# Altium PCB LPC4357_SDRAM_v0.2.PcbDoc (part 1 of 3) (continued)
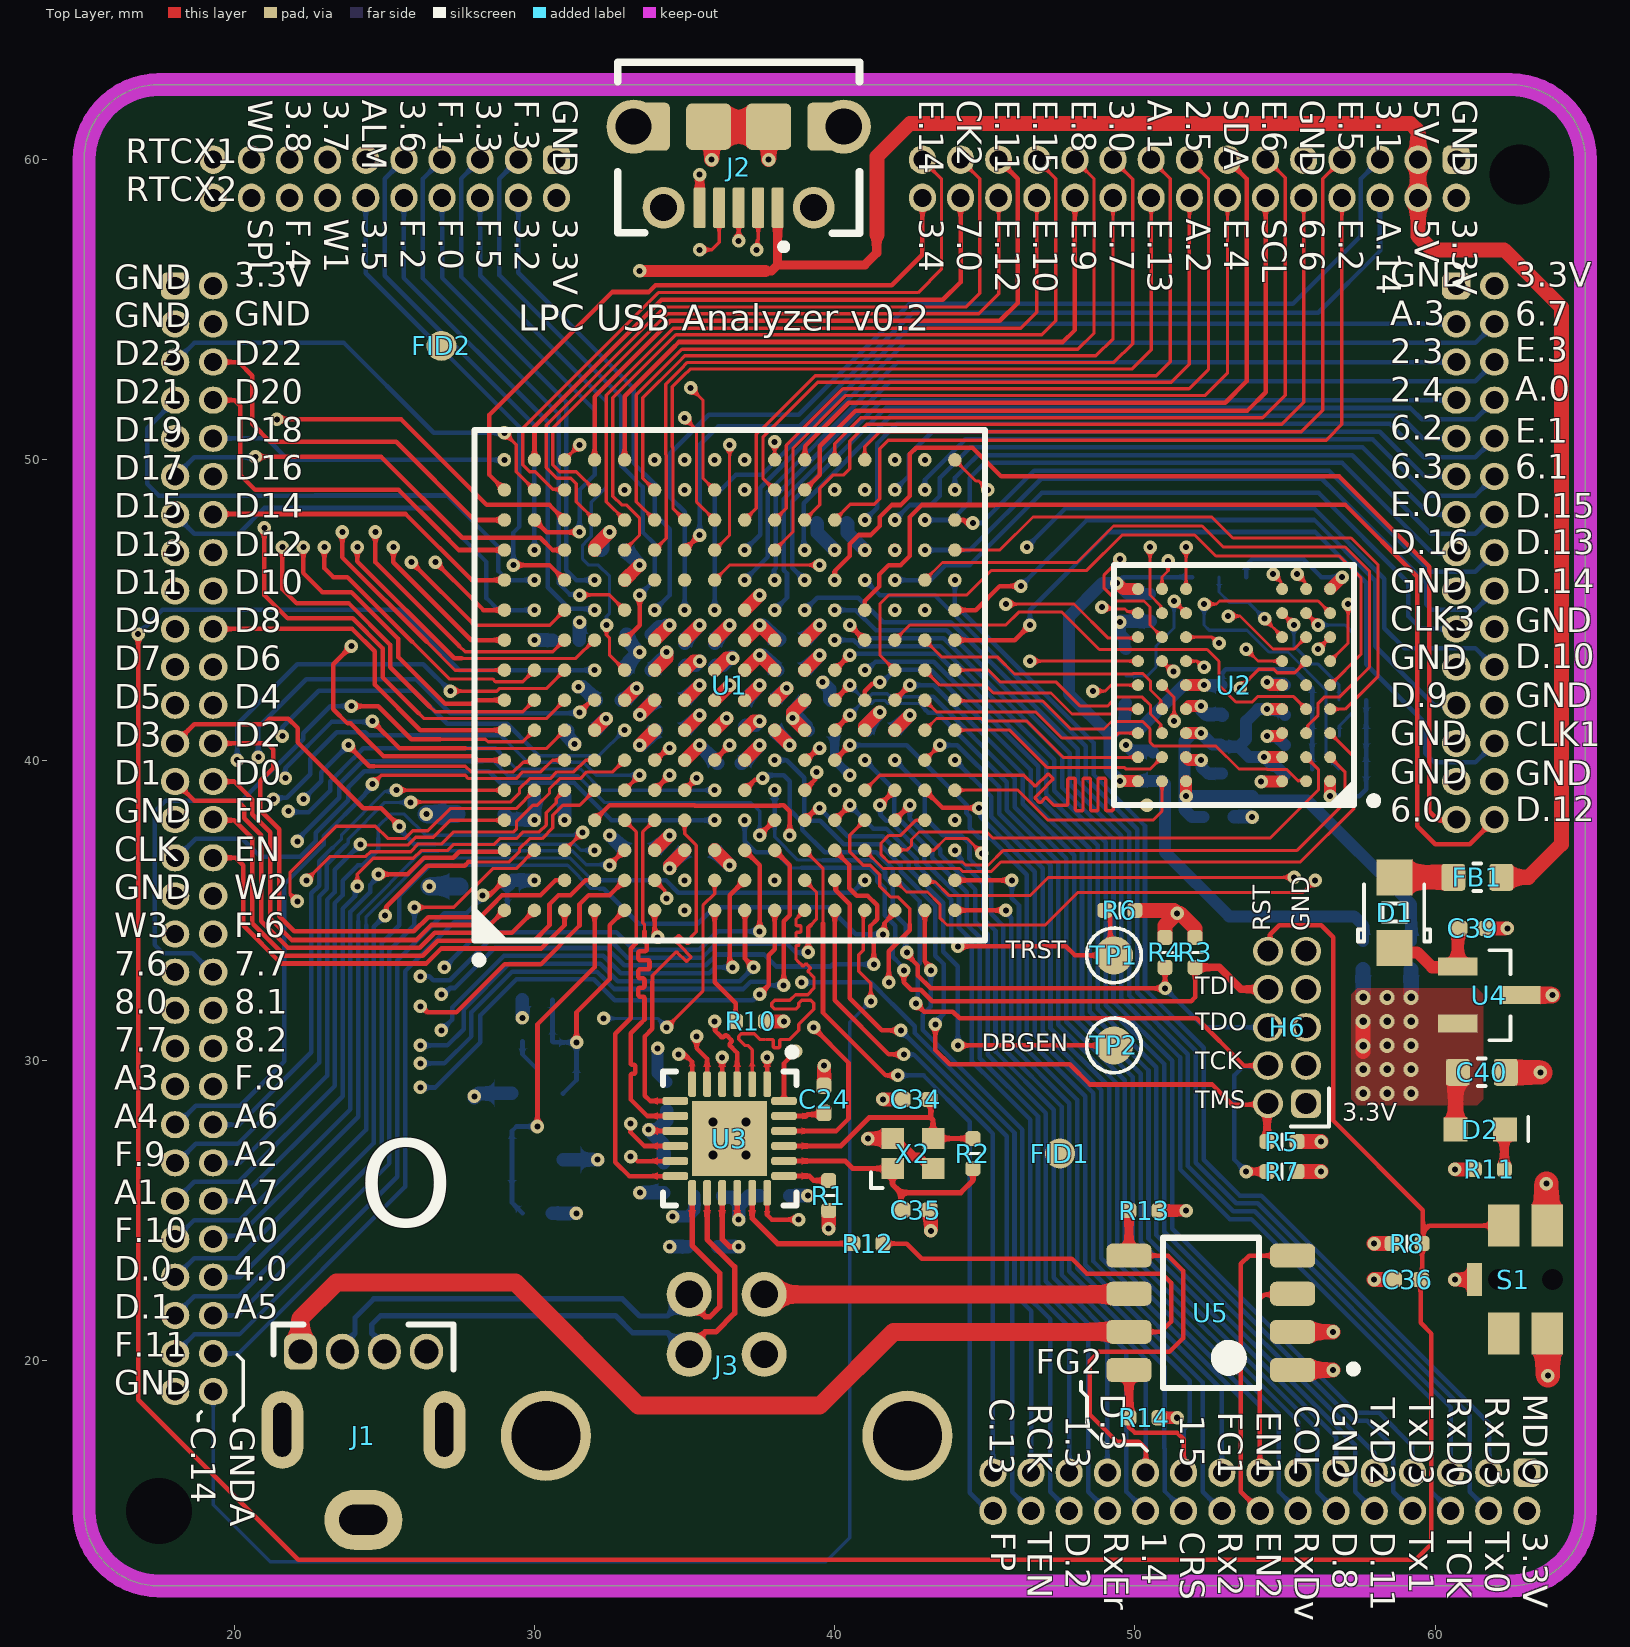
[diagram p0: Top Layer view]
## Part data
C1 C2 C3 C4 C5 C6 C7 C8 C9 C10 C11 C12 C13 C14 C15 C16 C17 C18 C19 C20 C21 C22 C23 C26 C27 C28 C29 C30 C31 C32 C33 C36: library part C_100n_16V_10_0402_NIC, "Cap, Chip, 100nF, 16V, ±10%, X7R, 0402", Manufacturer=NIC, Manufacturer_No=NMC0402X7R104K16TRPF, Supplier Part Number 1=NMC0402X7R104K16TRPF-REEL, HelpURL=http://www.niccomp.com/catalog/nmc3.pdf, IOT=IOT-0301, PB-free=Yes, Supplier 1="Future Electronics"
C24 C25 C39: library part C_1u_10V_10_0402_NIC, "Cap, Chip, 1uF, 10V, ±10%, X5R, 0402", Manufacturer=NIC, Manufacturer_No=NMC0402X5R105K10TRPF, Supplier Part Number 1=NMC0402X5R105K10TRPF-CUTT, Dist_No=NMC0402X5R105K10TRPF, Distributor=Avnet, HelpURL=http://www.niccomp.com/catalog/nmc2.pdf, IOT=IOT-, PB-free=Yes, Price=0.0056, Supplier 1="Future Electronics"
C34 C35 C37 C38: library part C_18p_25V_10_0402_NIC, "Cap, Chip, 18pF, 25V, ±10%, NPO 0402", Manufacturer=NIC, Manufacturer_No=NMC0402NPO180J25TRPF, HelpURL=http://www.niccomp.com/catalog/nmc1.pdf, IOT=IOT-0056, PB-free=Yes
C40: library part C_10u_10V_10_0603_NIC, "Cap, Chip, 10uF, 10V, ± 15%, X5R, 0603", Manufacturer=NIC, Manufacturer_No=NMC0603X5R106K10TRPF, Dist_No=NMC0603X5R106K10TRPF, Distributor=NIC, HelpURL=http://www.niccomp.com/catalog/nmc1.pdf, IOT=IOT-0719, PB-free=Yes, Price=0.02
D1: library part D_PMEG2015EH_20V_1A5_SOT123F, "Diode, Schottky Rectifier, 20V, 1.5A, SOT123F", Manufacturer="NXP Semiconductors", Manufacturer_No="PMEG2015EH T/R", Voltage=20V, Dist_No=568-4116-1-ND, Distributor=DIGIKEY, HelpURL=http://www.nxp.com/acrobat_download/datasheets/PMEG2015EH_EJ_2.pdf, PB-free=Yes, Price=0.46000
D2: library part D_LED-0603_LTST-C190KGKT, "0603 LED, Green", Manufacturer=Lite-on, Manufacturer_No=LTST-C190KGKT, Supplier Part Number 1=160-1435-1-ND, Dist_No=LTST-C190KGKT, Distributor=Avnet, HelpURL=http://optoelectronics.liteon.com/upload/download/DS22-2000-074/S_110_LTST-C190KGKT.pdf, IOT=IOT-0171, PB-free=Yes, Price=0.0376, Supplier 1=Digi-Key
FB1 FB2 FB3: library part FB_120R_0603_NIC, "Ferrite bead,120 ohm@100MHz,0.30 ohm @DC, 500mA, 0603", Manufacturer=NIC, Manufacturer_No=NCB0603R121TR060F, HelpURL=http://www.niccomp.com/catalog/ncb.pdf, IOT=IOT-0083
FB4 FB5 FB6 FB7: library part FB_300R_0402_NIC, "Ferrite bead,300 ohm@100MHz,0.15 ohm @DC, 1A, 0402", Manufacturer=NIC, Manufacturer_No=NCB-H0402P301TR100F, Supplier Part Number 1=490-5256-2-ND, Dist_No=NCB-H0402P301TR100F, Distributor=NIC, HelpURL=http://www.niccomp.com/catalog/ncbh.pdf, IOT=IOT-0720, Price=0.01, Supplier 1=Digi-Key
FID1 FID2: "SMD Device Fiducial", FMEDA__CHANNEL=DIAG
H1: library part JP_2x30_1.27mm, "CONN, Header, 2x30, TH, 1.27mm", Manufacturer="Shenzhen Cankemeng", Manufacturer_No=220-1S-2*30, ComponentLink1Description=Datasheet, ComponentLink1URL=https://datasheet.lcsc.com/szlcsc/Shenzhen-Cankemeng-Female-header-2-30P-1-27mm-Straight-line_C124402.pdf, Dist_No=C124402, Distributor=LCSC, HelpURL=https://lcsc.com/product-detail/Pin-Header-Female-Header_Shenzhen-Cankemeng-Female-header-2-30P-1-27mm-Straight-line_C124402.html, PB-free=Yes, Price=0.32
H2: library part JP_2x10_1.27mm, "CONN, Header, 2x10, TH, 1.27mm", PB-free=Yes, Price=0.32
H3 H4 H5: library part JP_2x15_1.27mm, "CONN, Header, 2x15, TH, 1.27mm", ComponentLink1Description=Datasheet, ComponentLink1URL=https://datasheet.lcsc.com/szlcsc/Shenzhen-Cankemeng-Female-header-2-30P-1-27mm-Straight-line_C124402.pdf, Distributor=LCSC, PB-free=Yes, Price=0.32
H6: library part JP_JTAG-FTSH_1.27, "CONN, Header 2x5, TH, 1.27mm", Manufacturer=Samtec, Manufacturer_No=FTSH-105-01-L-D-K, Dist_No=FTSH-105-01-L-D-K, Distributor=Heilind, PB-free=Yes, Price=$2.00
J1: library part J_USB_A_Rotate_Reverse_TH, "USB, Type A, Side Insert, Revese PinoutRA", Manufacturer="Jing Extension", Manufacturer_No=C39452, ComponentLink1Description="Info Page", ComponentLink1URL=https://lcsc.com/product-detail/USB-Connectors_Jing-Extension-of-the-Electronic-Co-LCSC-AF-10-0-Side-insert-3-Have-side-iron-Reverse-PBT-White-plastic-Thicker_C39452.html, Dist_No=C39452, Distributor=LCSC, HelpURL=https://datasheet.lcsc.com/szlcsc/Jing-Extension-of-the-Electronic-Co-LCSC-AF-10-0-Side-insert-3-Have-side-iron-Reverse-PBT-White-plastic-Thicker_C39452.pdf, PB-free=Yes, Price=0.05
J2: library part J_microUSB_B_SMD-FCI, "CONN RECEPT MICRO USB RA 5POS SMD", Manufacturer=FCI, Manufacturer_No=10118194
J3: library part J_USB_B_2.0_RA, "CONN RCPT USB 2.0 TYPE B R/A 4PS", Manufacturer=FCI, Manufacturer_No=61729-1011BLF, Dist_No=61729-1011BLF, Distributor=Avnet, HelpURL=http://portal.fciconnect.com/Comergent/fci/drawing/61729.pdf, IOT=IOT-0319, PB-free=Yes, Price=0.34, Supplier 2=Digi-Key
PCB: library part PCB, "4 Layer Controlled Impedance PCB", Manufacturer="IO Technologies"
R1 R11: library part "Res Semi", "Resistor, 8.06 kO, 1%, 0.06W, 0402"
R2 R9: library part "Res Semi", "Resistor, 1 MO, 1%, 0.06W, 0402"
R3 R4 R5 R6 R7 R8 R13 R14: library part R_10k0_60mW_1_0402_NIC, "Resistor, 10.0 kO, 1%, 0.06W, 0402", Manufacturer=NIC, Manufacturer_No=NRC04F1002TRF, HelpURL=http://www.niccomp.com/catalog/nrc.pdf, IOT=IOT-0100
R10: library part R_12k0_60mW_1_0402_NIC, "Resistor, 12.0 kO, 1%, 0.06W, 0402", Manufacturer=NIC, Manufacturer_No=NRC04F1202TRF, HelpURL=http://www.niccomp.com/catalog/nrc.pdf, IOT=IOT-0101
R12: library part R_20k0_100mW_1_0603_NIC, "Resistor, 20 kO, 1%, 0.06W, 0402", Manufacturer=NIC, Manufacturer_No=NRC06F2002TRF, HelpURL=http://www.niccomp.com/catalog/nrc.pdf, PB-free=Yes, Price=0.0009
R15 R16 R17 R18 R19: library part CON_Jumper_3Pad_0402, "3-pad, 0402, jumper"
S1: library part SW_PTS840_RA_SMT, "SWITCH SPST RA, 50mA, 24V, SMT", Manufacturer=C&K, Manufacturer_No="PTS840 GKP SMTR LFS", Dist_No="PTS840 GKP SMTR LFS", Distributor=Heilind, HelpURL=http://www.ckswitches.com/media/1477/pts840.pdf, PB-free=Yes, Price=0.19
TP1 TP2: library part TP_50mil-pad, "SMD test pin"
U1: library part U_LPC4357JET256_BGA256, "32-bit ARM Cortex-M4 / M0 Microcontroller, 164 I/O, 1024 KB Flash, 136 KB SRAM, -40 to 105 degC, 256-Ball LBGA, Tray, RoHS", Manufacturer="NXP Semiconductors", PartNumber=LPC4357JET256, CAN=2, Clock Speed="204 MHz max.", Code_JEDEC=MO-192, ComponentLink1Description="Manufacturer URL", ComponentLink1URL=www.nxp.com, ComponentLink2Description=Datasheet, ComponentLink2URL=http://www.nxp.com/documents/data_sheet/LPC435X_3X_2X_1X.pdf, ComponentLink3Description="Package Specification", ComponentLink3URL=http://www.nxp.com/documents/outline_drawing/sot740-2_po.pdf, Core=Cortex-M4, DatasheetVersion="Rev. 5", Ethernet=1, Flash="1024 KB", LCD=1, Manufacturer 1="NXP Semiconductors", Manufacturer Part Number 1=LPC4357JET256,551, Mounting Technology="Surface Mount", PackageDescription="256-Ball Plastic Low Profile Ball Grid Array Package, Body 17 x 17 mm, Pitch 1 mm", PackageVersion="05-08-04, 08/2005", Packing=Tray, RAM="136 KB", USB=2
U2: library part U_MT48LC16M16A2F4_VFBGA54, "256Mb PC133 SDR SDRAM, 16Mb x 16, 7.5ns, 3.3V, 0 to 70 degC, 54-Ball VFBGA, Pb-Free", Manufacturer=Micron, Manufacturer 1="Micron Technology", Op. Temp.="0C to +70C", Supplier Part Number 1=AS4C16M16SA-7BCN-TRAY, Voltage=3.3V, CL="CL = 3", Clock Rate="133 MHz", ComponentLink1Description="Manufacturer URL", ComponentLink1URL=http://www.micron.com/, ComponentLink2Description=Datasheet, ComponentLink2URL=http://www.micron.com/~/media/Documents/Products/Data%20Sheet/DRAM/256Mb_sdr.pdf, ComponentLink3Description="Package Specification", ComponentLink3URL=http://www.micron.com/~/media/Documents/Products/Data%20Sheet/DRAM/256Mb_sdr.pdf, Cycle Time=7.5ns, Data Rate=PC133, DatasheetVersion=Rev.Q, Density=256Mb, Depth=16Mb, Manufacturer Part Number 1=MT48LC16M16A2B4-6A:G, Mounting Technology="Surface Mount", PackageDescription="54-Ball Fine-Pitch Ball Grid Array, 8 x 8 mm, Pitch 0.8 mm", PackageReference=MICT-B4-54, PackageVersion=Rev.D, PartNumber=MT48LC16M16A2B4-6A:G, RoHS=Yes, Supplier 1="Future Electronics", Supplier 2=Avnet, Supplier Part Number 2=MT48LC16M16A2B4-6A:G, Width=x16
U3: library part U_USB3343_QFN24, "Enhanced Single Supply Hi-Speed USB ULPI Transceiver, 1.8 to 3.3 V, -40 to 85 degC, 24-Pin QFN, RoHS, Tape and Reel", Dual Supply Voltage (Max)=NotRequiredV, Manufacturer=Microchip, Operating Supply Voltage (Max)=3.3V, Operating Supply Voltage (Min)=1.8V, Operating Supply Voltage (Typ)=2.5V, Operating Temperature (Max)=85C, Operating Temperature (Min)=-40C, Operating Temperature Classification=Industrial, Package Description="24-Pin Quad Flat No-lead Package, Body 4 x 4 mm, Pitch 0.5 mm, Thermal Pad 2.5x2.5mm", Package Reference=QFN-24, Package Type=QFNEP, Power Supply Requirement=Single, Datasheet URL=http://ww1.microchip.com/downloads/en/DeviceDoc/334x.pdf, Datasheet Version="Rev. 1.2, 02/2013", Dual Supply Voltage (Min)=NotRequiredV, Dual Supply Voltage (Typ)=NotRequiredV, ESD Protection=Yes, Manufacturer Part Number=USB3343-CP-TR, Manufacturer URL=http://www.microchip.com/, Mounting=SurfaceMount, Mounting Technology=SurfaceMount, Number of Transceivers=1, Packaging=TapeandReel, Pin Count=32, Rad Hardened=No
U4: library part U_AP7333-33SAG-7_SOT23-3, "IC, CONV DC/DC LDO 3.3V, 300mA, SOT23-3", Manufacturer=STMicroelectronics, Manufacturer_No=LD1117S33CTR, Supplier Part Number 1=497-1241-1-ND, ComponentLink1Description=Datasheet, ComponentLink1URL=https://www.diodes.com/assets/Datasheets/AP7333.pdf, Dist_No=497-1241-1-ND, Distributor=DIGIKEY, HelpURL=http://www.st.com/stonline/products/literature/ds/2572/ld1117xx.pdhttp://www.st.com/stonline/products/literature/ds/2572/ld1117xx.pdf, IOT=1039711.0, PB-free=Yes, Price=0.15, Supplier 1=Digi-Key, Supplier 2=Digi-Key, Supplier Part Number 2=497-1241-2-ND
U5: library part U_AP2192A_SOIC8, "IC, USB Dual Switch w/ 1.5A Current Limit, SOIC-8", Manufacturer="Diodes Inc", Manufacturer_No=AP2152SG-13, Supplier Part Number 1=AP2152SGDICT-ND, ComponentLink1Description=Datasheet, ComponentLink1URL=https://www.diodes.com/assets/Datasheets/AP2182A_92A.pdf, Supplier 1=Digi-Key
X1: library part X_13.000MHZ_18pF_3225, "X-tal, 12.000MHz, Cl=20pF, +-18ppm, 3225", Manufacturer="ABRACON Co", Manufacturer_No=ABM8G-12.000MHZ-B4Y-T, Supplier Part Number 1=535-10283-1-ND, Dist_No=ABM8G-12.000MHZ-B4Y-T, Distributor=Future, HelpURL=http://www.abracon.com/Resonators/ABM8G.pdf, PB-free=Yes, Price=0.462, Supplier 1=Digi-Key
X2: library part X_26.000MHZ_6pF_2016, "X-tal, 26.000MHz, Cl=6pF, +-18ppm, 2.0 x 1.6mm", Manufacturer=muRata, Manufacturer_No=XRCGB26M000F2P00R0, Supplier Part Number 1=490-9764-1-ND, ComponentLink1Description=Datasheet, ComponentLink1URL=https://www.murata.com/~/media/webrenewal/support/library/catalog/products/timingdevice/crystalu/p79e.ashx?la=en-us, Dist_No=XRCGB26M000F2P00R0, Distributor=Future, HelpURL=https://www.murata.com/~/media/webrenewal/support/library/catalog/products/timingdevice/crystalu/p79e.ashx?la=en-us, PB-free=Yes, Price=.24, Supplier 1=Digi-Key

## Free pads (board coordinates)
  round 1 hole 2.2: 2(17.5,15)
  round 1 hole 2: 2(62.8,59.5)

## Via types
v1: diameter 0.45, hole 0.2, Top Layer to Bottom Layer, tented both sides, 231 vias
v2: diameter 0.45, hole 0.2, Top Layer to Bottom Layer, tented bottom, 68 vias
v3: diameter 0.45, hole 0.2, Top Layer to Bottom Layer, tented top, 27 vias
v4: diameter 0.5, hole 0.25, Top Layer to Bottom Layer, tented both sides, 15 vias
v5: diameter 0.5, hole 0.3, Top Layer to Bottom Layer, tented bottom, 4 vias
v6: diameter 0.45, hole 0.2, Top Layer to Bottom Layer, 1 vias

## Nets (pads, with @x,y where several pads share a name; then routed paths per layer and width w, separated by ;. In a path a pad name is that pad's centre, name@x,y a point inside that pad or via, vN(x,y) a via of type N, cw(c..) or ccw(c..) an arc to the next point about the centre after c; other vN are vias at no path point)
3V3: C1.1 C2.1 C3.1 C4.1 C5.1 C6.1 C7.1 C8.1 C9.1 C10.1 C11.1 C12.1 C13.1 C14.1 C15.1 C16.1 C17.1 C18.1 C19.1 C20.1 C21.1 C40.1 D2.1 FB2.1 FB4.2 FB5.2 FB6.1 FB7.1 H1.2 H2.2 H3.2 H4.2 H5.2 H6.1 R3.2 R4.2 R5.2 R6.2 R8.2 R13.2 R14.2 U1.B10 U1.D7 U1.E8 U1.E12 U1.F3 U1.F7 U1.F8 U1.F9 U1.F10 U1.G3 U1.G10 U1.H10 U1.J6 U1.J7 U1.K7 U1.L7 U1.L8 U1.L9 U1.L10 U1.N7 U1.N13 U4.2 U5.2 | length 44.7
  Top Layer w0.4: R14.2@50.8,18.1 v1(51.4,18.1) ; R13.2@50.8,25 v1(51.7,25)
  Top Layer w0.45: U1.D7@32,41 v1(32.388,41.388) ; U1.E8@33,42 v1(33.4,42.4) ; U1.E12@33,46 33.44,46.44 v1(33.5,46.5) ; v1(33.5,40.5) U1.F7@34,41 ; v1(33.511,41.511) U1.F8@34,42 ; U1.F9@34,43 34.4,43.4 v1(34.4,43.6) ; U1.F10@34,44 v1(34.5,44.5) ; U1.F3@34.011,37 U1.F3@34,37 v1(34.5,37.5) ; v1(34.5,36.4) 34.5,36.494 35,36.994 U1.G3@35,37 ; U1.G10@35,44 v1(35.5,44.5) ; U1.H10@36,44 v1(36.5,44.5) ; U1.J6@37,40 v1(37.5,40.5) ; U1.J7@37,41 37.3,41.3 v1(37.5,41.3) ; U1.K7@38,41 v1(38.5,40.5) ; U1.L7@39,41 v1(38.6,41.4) 38.6,41.6 U1.L8@39,42 ; U1.L9@39,43 v1(39.5,43.5) ; U1.L10@39,44 v1(39.5,44.5) ; U1.N7@41,41 41,41.124 41.476,41.6 v1(41.5,41.6)
  Top Layer w0.5: R6.2@50,35 51.3,35 v1(51.4,34.9) ; R4.2@51,34.1 51,34.5 v1(51.4,34.9) ; R3.2@52,34.1 52,34.4 51.5,34.9 v1(51.4,34.9) ; U5.2@55.25,20.96 v1(56.6,20.96) ; R5.2@55.4,27.3 v1@56.189,27.3 ; v4@57.6,30.3 v4(57.6,31.3) ; v1(57.965,23.9) R8.2@58.565,23.9 ; D2.1@60.675,27.7 60.675,29.53 C40.1@60.75,29.605
  Bottom Layer w0.4: v1(34.1,30.4) 34.1,29.575 FB7.1@34.4,29.275 ; v1(34.6,24.8) 35.113,24.8 35.325,25.013 FB6.1@35.325,25.5
  Bottom Layer w0.45: v2(30,44) C21.1@30.6,44 ; C3.1@32,41 v1(32.388,41.388) ; C17.1@32.89,42 32.925,42.035 33.035,42.035 v1(33.4,42.4) ; C2.1@32.99,47 33.01,47 33.5,46.51 v1(33.5,46.5) ; v1(33.5,40.5) 33.55,40.5 34,40.95 34,40.975 34.025,41 C6.1@34.05,41 ; v1(33.511,41.511) C5.1@34,42 ; C16.1@33.89,43 33.91,43 33.945,43.035 33.945,43.055 34.4,43.51 v1(34.4,43.6) ; C20.1@33.89,44.2 33.91,44.2 34.15,44.44 34.333,44.44 34.393,44.5 v1(34.5,44.5) ; C7.1@34.011,37 v1@34.511,37.5 ; v1@34.5,36.5 C10.1@35,37 ; C8.1@35,43.89 35.035,43.925 35.035,44.035 v1(35.5,44.5) ; C9.1@36,43.89 36.035,43.925 36.035,44.035 v1(36.5,44.5) ; C15.1@36.89,39.9 36.91,39.9 37.5,40.49 v1(37.5,40.5) ; C13.1@37,41.11 37,41.13 37.035,41.165 37.365,41.165 v1(37.5,41.3) ; C14.1@38,41 v1(38.5,40.5) ; v1@38.6,41.6 38.975,41.975 C18.1@39,42 ; v1@38.7,41.5 39.055,41.145 39.055,41.035 39.09,41 C19.1@39.11,41 ; C12.1@39,43 v1(39.5,43.5) ; C11.1@39,44 v1(39.5,44.5) ; C4.1@40.4,47.9 40.425,47.875 40.425,47.575 v2(41,47) ; C1.1@41.05,41 41.075,41 41.1,41.025 41.1,41.2 v1(41.5,41.6)
  Bottom Layer w0.5: v4(57.6,32.1) FB5.2@57.6,33.025 ; v4(59.2,32.1) FB4.2@59.2,33.025
  Bottom Layer w0.6: v1(26.4,38.2) FB2.1@27.4,38.2
  other v1: 56.2,27.3
  other v4: 57.6,28.9 58.4,28.9 59.2,28.9 57.6,29.7 58.4,29.7 59.2,29.7 57.6,30.487 58.4,30.5 59.2,30.5 58.4,31.3 59.2,31.3 58.4,32.1
ADC0_0: H1.52 U1.E3 | length 23.4
  Top Layer w0.152: v1@32.5,36.521 32.511,36.521 32.99,37 U1.E3@33,37
  Bottom Layer w0.11: 24.13,34.628 24.13,34.841 26.249,36.96 26.799,36.96 26.819,36.98 29.33,36.98 29.333,36.983 31.254,36.983 31.716,36.521 v1@32.5,36.521
  Bottom Layer w0.15: H1.52@19.3,24.05 19.407,24.157 20.157,24.157 24.13,28.13 24.13,34.628
  other v1: 32.5,36.5
ADC0_1: H1.49 U1.C3 | length 24.3
  Top Layer w0.11: U1.C3@31,37 v1(31.6,37.6)
  Bottom Layer w0.11: 24.8,37.4 24.8,37.8 25.207,38.207 25.669,38.207 26.375,37.5 27.5,37.5 27.502,37.498 v1@31.5,37.498
  Bottom Layer w0.15: H1.49@18.03,25.32 18.665,25.955 20.155,25.955 23.35,29.15 23.35,35.243 23.607,35.5 23.607,35.987 24.12,36.5 24.28,36.5 24.8,37.02 24.8,37.4
ADC0_2: H1.48 U1.A4 | length 18.3
  Top Layer w0.11: v1(24.2,37.2) 24.227,37.173 25.784,37.173 26.041,37.43 26.63,37.43 27.2,38 U1.A4@29,38
  Bottom Layer w0.15: H1.48@19.3,26.59 20.19,26.59 23.09,29.49 23.09,35.351 23.347,35.608 23.347,36.347 v1(24.2,37.2)
ADC0_3: H1.43 U1.B5 | length 20
  Top Layer w0.11: v1(22.1,35.3) 21.857,35.543 21.857,36.257 23.4,37.8 24.7,37.8 25.107,37.393 25.693,37.393 25.95,37.65 26.45,37.65 27.19,38.39 29.39,38.39 U1.B5@30,39
  Int2 (PWR) w0.15: H1.43@18.03,29.13 18.665,29.765 21.206,29.765 22.09,30.649 22.09,35.29 v1(22.1,35.3)
ADC0_4: H1.45 U1.C6 | length 21.8
  Top Layer w0.11: v1(24.6,39.2) 24.9,39.5 27.69,39.5 27.8,39.39 29.39,39.39 29.61,39.61 30.21,39.61 30.6,40 U1.C6@31,40
  Bottom Layer w0.15: H1.45@18.03,27.86 18.08,27.86 18.715,28.495 20.195,28.495 21.673,29.973 21.673,35.877 22.974,37.178 22.974,37.474 24.35,38.85 24.35,38.869 24.6,39.119 v1(24.6,39.2)
ADC0_5: H1.56 U1.B3 | length 21.6
  Top Layer w0.11: v1(26,35.1) 27.317,35.1 28.607,36.39 29.39,36.39 U1.B3@30,37
  Bottom Layer w0.15: H1.56@19.3,21.51 20.11,21.51 25.17,26.57 25.17,33.67 26,34.5 v1(26,35.1)
ADC0_6: H1.46 U1.A5 | length 17.9
  Top Layer w0.11: v1(25.4,39) U1.A5@29,39
  Bottom Layer w0.11: 23.274,37.09 23.573,37.388 23.573,37.52 25.01,38.957 25.266,38.957 v1@25.309,39
  Bottom Layer w0.15: H1.46@19.3,27.86 20.16,27.86 22.57,30.27 22.57,35.566 22.827,35.823 22.827,36.642 23.274,37.09
ADC0_7: H1.50 U1.C5 | length 21.9
  Top Layer w0.11: v1(24.1,35.8) 24.1,36.2 24.633,36.733 25.966,36.733 26.223,36.99 27.09,36.99 27.29,37.19 28.638,37.19 28.838,37.39 29.401,37.39 29.621,37.61 30.162,37.61 30.39,37.838 30.39,38.253 30.72,38.583 30.72,38.72 U1.C5@31,39
  Bottom Layer w0.15: H1.50@19.3,25.32 20.12,25.32 23.61,28.81 23.61,35.059 24.026,35.476 24.026,35.826 24.1,35.753 v1(24.1,35.8)
CLK1: H4.26 U1.T10 | length 25.4
  Top Layer w0.152: U1.T10@44,44 46,44 v1(46.5,44.5)
  Bottom Layer w0.15: 57.7,43.2 59.668,41.232 59.668,40.232 59.975,39.925 61.335,39.925 H4.26@61.97,40.56
  Bottom Layer w0.152: v1(46.5,44.5) 46.5,45 49.1,47.6 56.006,47.6 57.7,45.906 57.7,43.2
CLK2: H3.27 U1.D14 | length 25.1
  Top Layer w0.11: U1.D14@32,48 31.39,48.61 31.39,49.21 31.21,49.39 30.747,49.39 30.39,49.747 30.39,51.153 34.107,54.869 34.33,55.092 44.362,55.092 44.825,55.555 44.825,59.365 H3.27@44.19,60
CLK3: H4.19 U1.P12 | length 22.4
  Bottom Layer w0.15: 44.5,46.5 46.9,48.9 56.115,48.9 59.1,45.915 59.1,44.8 59.53,44.37 H4.19@60.7,44.37
  Bottom Layer w0.152: v2(42,46) 43.2,46 43.7,46.5 44.5,46.5
D_N: J1.2 J3.2 U3.13 | length 19
  Top Layer w0.178: J3.2@35.15,22.21 35.15,22.001 35.691,21.46 35.838,21.46 36.167,21.789 36.167,22.919 35.25,23.836 U3.13@35.25,25.59
  Bottom Layer w0.178: J1.2@23.6,20.3 23.6,20.494 24.021,20.915 24.021,21.431 24.648,22.058 32.931,22.058 33.5,21.489 34.429,21.489 J3.2@35.15,22.21
D_P: J1.3 J3.3 U3.14 | length 18.9
  Top Layer w0.178: J3.3@35.15,20.21 35.15,20.419 35.691,20.96 36.045,20.96 36.667,21.582 36.667,23.126 35.75,24.043 U3.14@35.75,25.59
  Bottom Layer w0.178: J1.3@25,20.3 25,20.494 24.579,20.915 24.579,21.2 24.879,21.5 32.7,21.5 33.269,20.931 34.429,20.931 J3.3@35.15,20.21
DBGEN: TP2.1 U1.L4 | length 16.3
  Top Layer w0.152: U1.L4@39,38 v1@39.4,38.4 ; v1(44.1,30.5) TP2.1@49.3,30.5
  Bottom Layer w0.152: v1(39.5,38.4) 40.439,37.461 41.605,37.461 42.461,36.605 42.461,36.405 43.613,35.252 43.613,33.625 44.1,33.138 v1(44.1,30.5)
DUT1_EN: H5.15 U1.R6 U5.3 | length 36.6
  Top Layer w0.11: U1.R6@43,40 v1(43.5,40.5)
  Top Layer w0.15: H5.15@54.16,16.27 54.16,22.06 54.3,22.2 55.22,22.2 U5.3@55.25,22.23
  Bottom Layer w0.15: 49.14,23.522 54.16,18.502 H5.15@54.16,16.27
  Bottom Layer w0.152: v1(43.5,40.5) 44.081,40.5 45.473,39.108 45.473,38.22 47.186,36.507 47.186,31.076 49.14,29.122 49.14,23.522
DUT1_FLG: H5.19 R14.1 U1.T2 U5.8 | length 29.2
  Top Layer w0.15: R14.1@49.8,18.1 49.8,17.788 49.888,17.7 49.9,17.7 50,17.6 51.4,17.6 51.62,17.38 H5.19@51.62,16.27
  Top Layer w0.152: U1.T2@44,36 v1(45.9,36)
  Top Layer w0.3: R14.1@49.8,18.1 U5.8@49.8,19.69
  Bottom Layer w0.152: v1(45.9,36) 45.9,35.405 46.138,35.167 46.138,30.624 48.078,28.684 48.078,23.082 51.828,19.332 51.828,17.923 51.62,17.715 H5.19@51.62,16.27
DUT1_VBUS: J1.1 R12.1 U5.7 | length 44.9
  Top Layer w0.15: R12.1@41.6,23.9 42.4,23.9 42.9,23.4 47.9,23.4 48.4,22.9 50.9,22.9 51.2,22.6 51.2,21.3 50.866,20.966 50.866,20.96 U5.7@49.8,20.96
  Top Layer w0.6: J1.1@22.2,20.3 22.2,21.4 23.4,22.6 29.367,22.6 33.467,18.5 39.5,18.5 41.96,20.96 U5.7@49.8,20.96
DUT2_EN: H5.16 U1.T6 U5.4 | length 39.5
  Top Layer w0.15: H5.16@54.16,15 53.525,15.635 53.525,23.225 53.8,23.5 U5.4@55.25,23.5
  Bottom Layer w0.15: 53.525,17.158 53.525,15.635 H5.16@54.16,15
  Bottom Layer w0.152: v2(44,40) 45.211,38.789 45.211,38.112 46.924,36.399 46.924,30.968 48.878,29.014 48.878,23.414 53.525,18.767 53.525,17.158
DUT2_FLG: H5.21 R13.1 U1.P6 U5.5 | length 41.6
  Top Layer w0.15: U5.5@49.8,23.5 51.1,23.5 51.6,23 51.6,20.752 51.148,20.3 48.8,20.3 48.5,20 48.5,18.2 49.4,17.3 50.133,17.3 50.365,17.068 50.365,16.285 H5.21@50.35,16.27
  Top Layer w0.3: U5.5@49.8,23.5 R13.1@49.8,25
  Bottom Layer w0.15: 45.21,34.885 45.21,34.883 45.615,34.478 45.615,30.404 47.555,28.464 47.555,22.866 50.35,20.07 H5.21@50.35,16.27
  Bottom Layer w0.152: v2(42,40) 43,39 43,38.1 43.6,37.5 44.2,37.5 44.489,37.211 44.489,36.711 45.21,35.99 45.21,34.885
DUT2_VBUS: J3.1 U5.6 | length 12.2
  Top Layer w0.3: U5.6@49.78,22.21 U5.6@49.8,22.23
  Top Layer w0.6: J3.1@37.65,22.21 U5.6@49.78,22.21
EMC_A0: R15.2 U1.H16 U2.H7 | length 24.6
  Top Layer w0.1: v3(51.3,45.3) U2.H7@51.7,44.9
  Int2 (PWR) w0.1: v2(36,50) 36,50.581 37.47,52.051 45.951,52.051 46.59,52.051 49.999,48.642 49.999,47.262 49.999,46.601 50.267,46.333 51.103,45.497 v3(51.3,45.3)
  Bottom Layer w0.1: R15.2@49.7,42.8 50.4,42.8 50.7,43.1 50.7,43.8 51.3,44.4 v3(51.3,45.3)
EMC_A1: U1.G16 U2.H8 | length 25.4
  Top Layer w0.1: v3(50.5,47.1) 50.5,45.5 50.853,45.147 50.853,44.947 U2.H8@50.9,44.9
  Int2 (PWR) w0.1: v2(35,50) 35.024,50 37.354,52.33 47.17,52.33 47.41,52.09 47.484,52.016 ccw(c47.534,52.066) 47.584,52.016 47.71,52.142 cw(c47.76,52.092) 47.81,52.142 47.959,51.993 cw(c47.909,51.943) 47.959,51.893 47.783,51.717 47.577,51.512 ccw(c47.627,51.462) 47.577,51.412 47.727,51.263 ccw(c47.777,51.312) 47.826,51.263 47.982,51.418 cw(c48.032,51.369) 48.082,51.418 48.231,51.269 cw(c48.181,51.219) 48.231,51.17 48.075,51.014 ccw(c48.125,50.964) 48.075,50.914 48.225,50.765 ccw(c48.274,50.815) 48.324,50.765 48.53,50.97 48.587,51.028 cw(c48.637,50.978) 48.686,51.028 48.836,50.878 cw(c48.786,50.828) 48.836,50.779 48.779,50.721 48.573,50.516 ccw(c48.623,50.466) 48.573,50.416 48.722,50.267 ccw(c48.772,50.317) 48.822,50.267 49.027,50.473 49.203,50.649 cw(c49.253,50.599) 49.303,50.649 49.452,50.499 cw(c49.403,50.45) 49.452,50.4 49.326,50.273 ccw(c49.376,50.224) 49.326,50.174 50.5,49 v3(50.5,47.1)
EMC_A2: U1.F16 U2.J8 | length 25.3
  Top Layer w0.1: U2.J8@50.9,45.7 50.9,46.1 51.1,46.3 v3(51.1,46.641)
  Int2 (PWR) w0.1: v2(34,50) 34.638,50.638 35.268,50.638 37.239,52.609 47.691,52.609 48.105,52.195 48.18,52.12 ccw(c48.23,52.17) 48.279,52.12 48.359,52.199 cw(c48.409,52.15) 48.458,52.199 48.608,52.05 cw(c48.558,52) 48.608,51.951 48.479,51.821 48.299,51.642 ccw(c48.349,51.592) 48.299,51.543 48.449,51.393 ccw(c48.499,51.443) 48.548,51.393 48.728,51.572 48.857,51.702 cw(c48.906,51.652) 48.956,51.702 49.106,51.552 cw(c49.056,51.502) 49.106,51.453 48.976,51.324 48.907,51.254 ccw(c48.957,51.205) 48.907,51.155 49.057,51.006 ccw(c49.106,51.055) 49.156,51.006 49.225,51.075 49.354,51.204 cw(c49.404,51.154) 49.454,51.204 49.603,51.054 cw(c49.554,51.005) 49.603,50.955 49.524,50.876 ccw(c49.574,50.826) 49.524,50.776 51.1,49.2 v3(51.1,46.641)
EMC_A3: U1.E15 U2.J7 | length 25.8
  Top Layer w0.1: U2.J7@51.7,45.7 v3(51.7,47.1)
  Int2 (PWR) w0.1: v2(33,49) 33,49.77 34.13,50.9 35.135,50.9 37.123,52.888 48.112,52.888 51.7,49.3 v3(51.7,47.1)
EMC_A4: U1.C16 U2.J3 | length 29.2
  Top Layer w0.1: U1.C16@31,50 v1@31.4,50.4 ; v3(54.6,46.2) 54.865,45.935 54.865,45.735 U2.J3@54.9,45.7
  Int2 (PWR) w0.1: v1@31.4,50.4 v1(31.5,50.5) 32.9,51.9 35.346,51.9 36.892,53.446 48.354,53.446 54.6,47.2 v3(54.6,46.2)
EMC_A5: U1.P2 U2.J2 | length 27.3
  Top Layer w0.1: U1.P2@42,36 42.388,35.612 43.088,35.612 43.5,35.2 43.5,34.75 43.738,34.512 47.012,34.512 48.1,35.6 55.6,35.6 v1(56,36) ; v3(55.4,46.195) 55.665,45.929 55.665,45.735 U2.J2@55.7,45.7
  Int2 (PWR) w0.1: 55.615,46.079 56.672,45.023 56.81,44.884 57.086,44.609 57.086,43.086 56,42 v1(56,36)
EMC_A6: R18.2 U1.R2 U2.H3 | length 28
  Top Layer w0.1: U1.R2@43,36 43.057,35.943 43.357,35.943 43.8,35.5 46.521,35.5 47.121,36.1 v1(55.3,36.1) ; U2.H3@54.89,44.91 v3(55.29,44.51)
  Int2 (PWR) w0.1: v3(55.29,44.51) 55.78,45 56.3,45 56.393,44.907 56.807,44.493 56.807,43.207 55.7,42.1 55.7,36.6 ; v1(55.3,36.1) 55.7,36.5 55.7,36.6 ; 55.7,37.082 55.7,36.6
  Bottom Layer w0.1: v3(55.29,44.51) 55.29,43.81 55.9,43.2 56.1,43.2 56.8,42.5 R18.2@56.8,42
EMC_A7: R17.2 U1.R3 U2.H2 | length 24.6
  Top Layer w0.1: U1.R3@43,37 43.3,37 43.69,37.39 44.41,37.39 v1(44.9,36.9) ; U2.H2@55.7,44.9 v3(56.1,44.5)
  Int2 (PWR) w0.1: v1(44.9,36.9) 48.6,36.9 49.8,38.1 50.231,38.1 50.233,38.098 51.603,38.098 53.972,40.467 53.972,42.777 54.467,43.272 56.372,43.272 56.528,43.428 56.528,44.072 v3(56.1,44.5)
  Bottom Layer w0.1: v3(56.1,44.5) 57,44.5 57.24,44.26 57.24,41.58 56.81,41.151 56.81,40.81 R17.2@56.8,40.8
EMC_A8: R16.2 U1.J16 U2.H1 | length 33.8
  Top Layer w0.1: v3(52.3,45.2) 52.717,45.2 52.817,45.3 56.1,45.3 U2.H1@56.5,44.9
  Int2 (PWR) w0.1: v2(37,50) 37,50.3 38.193,51.493 46.407,51.493 48.972,48.928 48.972,45.723 49.497,45.197 49.603,45.197 50,44.8 51.5,44.8 51.9,45.2 v3(52.3,45.2)
  Bottom Layer w0.1: v3(52.3,45.2) 52.3,44.5 52.472,44.328 53.73,44.328 54.458,43.6 55.093,43.6 56.36,42.333 56.36,40.14 R16.2@56.8,39.7
EMC_A9: R19.2 U1.H14 U2.G3 | length 32
  Top Layer w0.1: v1(35,51.4) 35.39,51.01 35.39,49.838 35.39,48.61 U1.H14@36,48 ; v3(54.316,44.716) 54.316,44.7 54.9,44.116 U2.G3@54.9,44.1
  Int2 (PWR) w0.1: v1(35,51.4) 35.048,51.448 35.289,51.448 37.008,53.167 48.233,53.167 53.9,47.5 53.9,45.1 54.284,44.716 v3(54.316,44.716)
  Bottom Layer w0.1: R19.2@52.8,46.1 52.8,45.6 53.154,45.246 53.786,45.246 v3(54.316,44.716)
EMC_A10: U1.K16 U2.H9 | length 25.8
  Top Layer w0.1: U1.K16@38,50 v1(38,50.6) ; v3(48.9,45.1) 48.957,45.043 49.281,45.043 49.286,45.038 49.667,45.038 49.758,44.947 50.053,44.947 U2.H9@50.1,44.9
  Int2 (PWR) w0.1: v1(38,50.6) 38.202,50.802 38.244,50.844 ccw(c38.216,50.872) 38.244,50.901 38.237,50.907 cw(c38.266,50.936) 38.237,50.964 38.322,51.049 cw(c38.351,51.021) 38.379,51.049 38.386,51.042 ccw(c38.414,51.07) 38.442,51.042 38.614,51.214 38.722,51.214 38.898,51.214 cw(c38.967,51.214) 38.967,51.283 39.181,51.283 cw(c39.181,51.214) 39.25,51.214 39.25,50.842 ccw(c39.32,50.842) 39.32,50.771 39.531,50.771 ccw(c39.531,50.842) 39.602,50.842 39.602,51.214 cw(c39.671,51.214) 39.671,51.283 39.885,51.283 cw(c39.885,51.214) 39.954,51.214 39.954,51.177 ccw(c40.024,51.177) 40.024,51.106 40.235,51.106 ccw(c40.235,51.177) 40.306,51.177 40.306,51.214 cw(c40.375,51.214) 40.375,51.283 40.589,51.283 cw(c40.589,51.214) 40.658,51.214 40.658,51.036 ccw(c40.728,51.036) 40.728,50.965 40.939,50.965 ccw(c40.939,51.036) 41.01,51.036 41.01,51.214 cw(c41.079,51.214) 41.079,51.283 41.293,51.283 cw(c41.293,51.214) 41.362,51.214 ccw(c41.431,51.214) 41.431,51.145 41.645,51.145 ccw(c41.645,51.214) 41.714,51.214 cw(c41.783,51.214) 41.783,51.283 41.997,51.283 cw(c41.997,51.214) 42.066,51.214 ccw(c42.135,51.214) 42.135,51.145 42.349,51.145 ccw(c42.349,51.214) 42.418,51.214 cw(c42.487,51.214) 42.487,51.283 42.701,51.283 cw(c42.701,51.214) 42.77,51.214 ccw(c42.839,51.214) 42.839,51.145 43.053,51.145 ccw(c43.053,51.214) 43.122,51.214 cw(c43.191,51.214) 43.191,51.283 43.405,51.283 cw(c43.405,51.214) 43.474,51.214 ccw(c43.543,51.214) 43.543,51.145 43.757,51.145 ccw(c43.757,51.214) 43.826,51.214 cw(c43.895,51.214) 43.895,51.283 44.109,51.283 cw(c44.109,51.214) 44.178,51.214 ccw(c44.247,51.214) 44.247,51.145 44.461,51.145 ccw(c44.461,51.214) 44.53,51.214 cw(c44.599,51.214) 44.599,51.283 44.813,51.283 cw(c44.813,51.214) 44.882,51.214 ccw(c44.951,51.214) 44.951,51.145 45.165,51.145 ccw(c45.165,51.214) 45.234,51.214 45.539,51.214 45.663,51.09 45.912,50.841 ccw(c45.949,50.804) 45.912,50.767 46.087,50.592 ccw(c46.124,50.629) 46.161,50.592 46.536,50.967 cw(c46.586,50.917) 46.636,50.967 46.785,50.818 cw(c46.735,50.768) 46.785,50.718 46.41,50.343 ccw(c46.447,50.306) 46.41,50.269 46.585,50.094 ccw(c46.622,50.131) 46.659,50.094 47.034,50.469 cw(c47.084,50.42) 47.134,50.469 47.283,50.32 cw(c47.233,50.27) 47.283,50.22 46.908,49.845 ccw(c46.944,49.808) 46.908,49.771 47.083,49.596 ccw(c47.12,49.633) 47.156,49.596 47.532,49.972 cw(c47.582,49.922) 47.631,49.972 47.781,49.822 cw(c47.731,49.772) 47.781,49.723 47.405,49.347 ccw(c47.442,49.31) 47.405,49.274 47.581,49.098 ccw(c47.617,49.135) 47.654,49.098 48.03,49.474 cw(c48.08,49.424) 48.129,49.474 48.279,49.324 cw(c48.229,49.275) 48.279,49.225 47.903,48.849 ccw(c47.94,48.813) 47.903,48.776 48.079,48.601 ccw(c48.115,48.637) 48.152,48.601 48.493,48.941 cw(c48.542,48.891) 48.592,48.941 48.741,48.792 cw(c48.692,48.742) 48.741,48.692 48.451,48.401 ccw(c48.501,48.352) 48.451,48.302 48.65,48.103 48.655,48.098 48.702,48.05 48.702,47.847 48.702,47.766 ccw(c48.722,47.766) 48.722,47.747 cw(c48.722,47.707) 48.762,47.707 48.762,47.587 cw(c48.722,47.587) 48.722,47.547 ccw(c48.722,47.527) 48.702,47.527 48.702,45.506 48.702,45.338 48.9,45.14 v3(48.9,45.1)
EMC_A11: U1.M15 U2.G2 | length 25.4
  Top Layer w0.1: v3(53.1,44.8) 53.5,44.8 54.6,43.7 55.3,43.7 U2.G2@55.7,44.1
  Int2 (PWR) w0.1: v2(40,49) 40,49.421 40,49.521 40,49.7 40.145,49.845 40.216,49.916 40.329,50.029 cw(c40.358,50.001) 40.386,50.029 40.51,49.905 ccw(c40.539,49.933) 40.567,49.905 40.652,49.99 ccw(c40.624,50.018) 40.652,50.046 40.499,50.199 40.081,50.617 cw(c40.109,50.645) 40.081,50.673 40.166,50.758 cw(c40.194,50.73) 40.223,50.758 40.64,50.34 40.647,50.333 ccw(c40.676,50.362) 40.704,50.333 40.789,50.418 ccw(c40.761,50.446) 40.789,50.475 40.81,50.454 cw(c40.838,50.482) 40.81,50.51 40.923,50.623 41.025,50.725 41.235,50.935 45.447,50.935 48.44,47.942 48.44,44.954 49.395,44 49.602,44 50.1,44.499 50.223,44.499 50.359,44.499 cw(c50.359,44.459) 50.399,44.459 ; 50.399,44.458 ccw(c50.439,44.458) 50.439,44.418 50.559,44.418 ccw(c50.559,44.458) 50.599,44.458 50.599,44.499 50.599,44.542 cw(c50.639,44.542) 50.639,44.582 50.759,44.582 cw(c50.759,44.542) 50.799,44.542 50.799,44.539 ccw(c50.839,44.539) 50.839,44.499 50.959,44.499 ccw(c50.959,44.539) 50.999,44.539 50.999,44.542 cw(c51.039,44.542) 51.039,44.582 51.159,44.582 cw(c51.159,44.542) 51.199,44.542 51.199,44.539 ccw(c51.239,44.539) 51.239,44.499 51.359,44.499 ccw(c51.359,44.539) 51.399,44.539 51.399,44.542 cw(c51.439,44.542) 51.439,44.582 51.559,44.582 cw(c51.559,44.542) 51.599,44.542 51.599,44.499 51.599,44.458 ccw(c51.639,44.458) 51.639,44.418 51.759,44.418 ccw(c51.759,44.458) 51.799,44.458 51.799,44.499 51.799,44.777 cw(c51.839,44.777) 51.839,44.817 51.959,44.817 cw(c51.959,44.777) 51.999,44.777 51.999,44.539 ccw(c52.039,44.539) 52.039,44.499 52.199,44.499 52.299,44.499 52.6,44.8 v3(53.1,44.8)
EMC_A12: U1.N15 U2.G1 | length 25.5
  Top Layer w0.1: v3(56.1,43.7) U2.G1@56.5,44.1
  Int2 (PWR) w0.1: v2(41,49) 41,50.2 41.473,50.673 45.339,50.673 48.178,47.833 48.178,44.846 48.225,44.799 48.433,44.591 48.508,44.516 ; 48.508,44.516 48.593,44.431 48.716,44.308 48.791,44.233 48.999,44.025 ; 48.999,44.025 49.074,43.95 49.282,43.742 49.324,43.7 49.783,43.7 50.283,44.2 50.383,44.2 50.583,44.2 50.743,44.2 ccw(c50.743,44.24) 50.783,44.24 cw(c50.823,44.24) 50.823,44.28 50.943,44.28 cw(c50.943,44.24) 50.983,44.24 50.983,44.2 50.983,44.013 ccw(c51.023,44.013) 51.023,43.973 51.143,43.973 ccw(c51.143,44.013) 51.183,44.013 51.183,44.2 51.183,44.21 cw(c51.223,44.21) 51.223,44.25 51.343,44.25 cw(c51.343,44.21) 51.383,44.21 51.383,44.2 51.383,44.018 ccw(c51.423,44.018) 51.423,43.978 51.543,43.978 ccw(c51.543,44.018) 51.583,44.018 51.583,44.16 cw(c51.623,44.16) 51.623,44.2 52.168,44.2 52.371,44.2 52.498,44.328 52.642,44.328 52.842,44.328 53.012,44.328 ccw(c53.012,44.358) 53.042,44.358 53.042,44.338 cw(c53.082,44.338) 53.082,44.378 53.202,44.378 cw(c53.202,44.338) 53.242,44.338 53.242,44.328 53.242,44.162 ccw(c53.282,44.162) 53.282,44.122 53.402,44.122 ccw(c53.402,44.162) 53.442,44.162 53.442,44.328 53.442,44.437 cw(c53.482,44.437) 53.482,44.477 53.602,44.477 cw(c53.602,44.437) 53.642,44.437 53.642,44.368 ccw(c53.682,44.368) 53.682,44.328 53.842,44.328 53.942,44.328 54.075,44.195 54.188,44.082 cw(c54.16,44.054) 54.188,44.025 54.179,44.016 ccw(c54.208,43.988) 54.179,43.96 54.264,43.875 ccw(c54.292,43.903) 54.321,43.875 54.33,43.884 cw(c54.358,43.856) 54.386,43.884 54.499,43.771 54.57,43.7 54.63,43.7 54.79,43.7 ccw(c54.79,43.74) 54.83,43.74 54.83,44.05 cw(c54.87,44.05) 54.87,44.09 54.99,44.09 cw(c54.99,44.05) 55.03,44.05 55.03,43.7 55.03,43.674 ccw(c55.07,43.674) 55.07,43.634 55.19,43.634 ccw(c55.19,43.674) 55.23,43.674 55.23,43.7 55.23,43.916 cw(c55.27,43.916) 55.27,43.956 55.39,43.956 cw(c55.39,43.916) 55.43,43.916 55.43,43.7 55.43,43.66 ccw(c55.47,43.66) 55.47,43.62 55.59,43.62 ccw(c55.59,43.66) 55.63,43.66 cw(c55.67,43.66) 55.67,43.7 55.73,43.7 v3(56.1,43.7)